# KiCad board HALTEST-panel.kicad_pcb (continued)
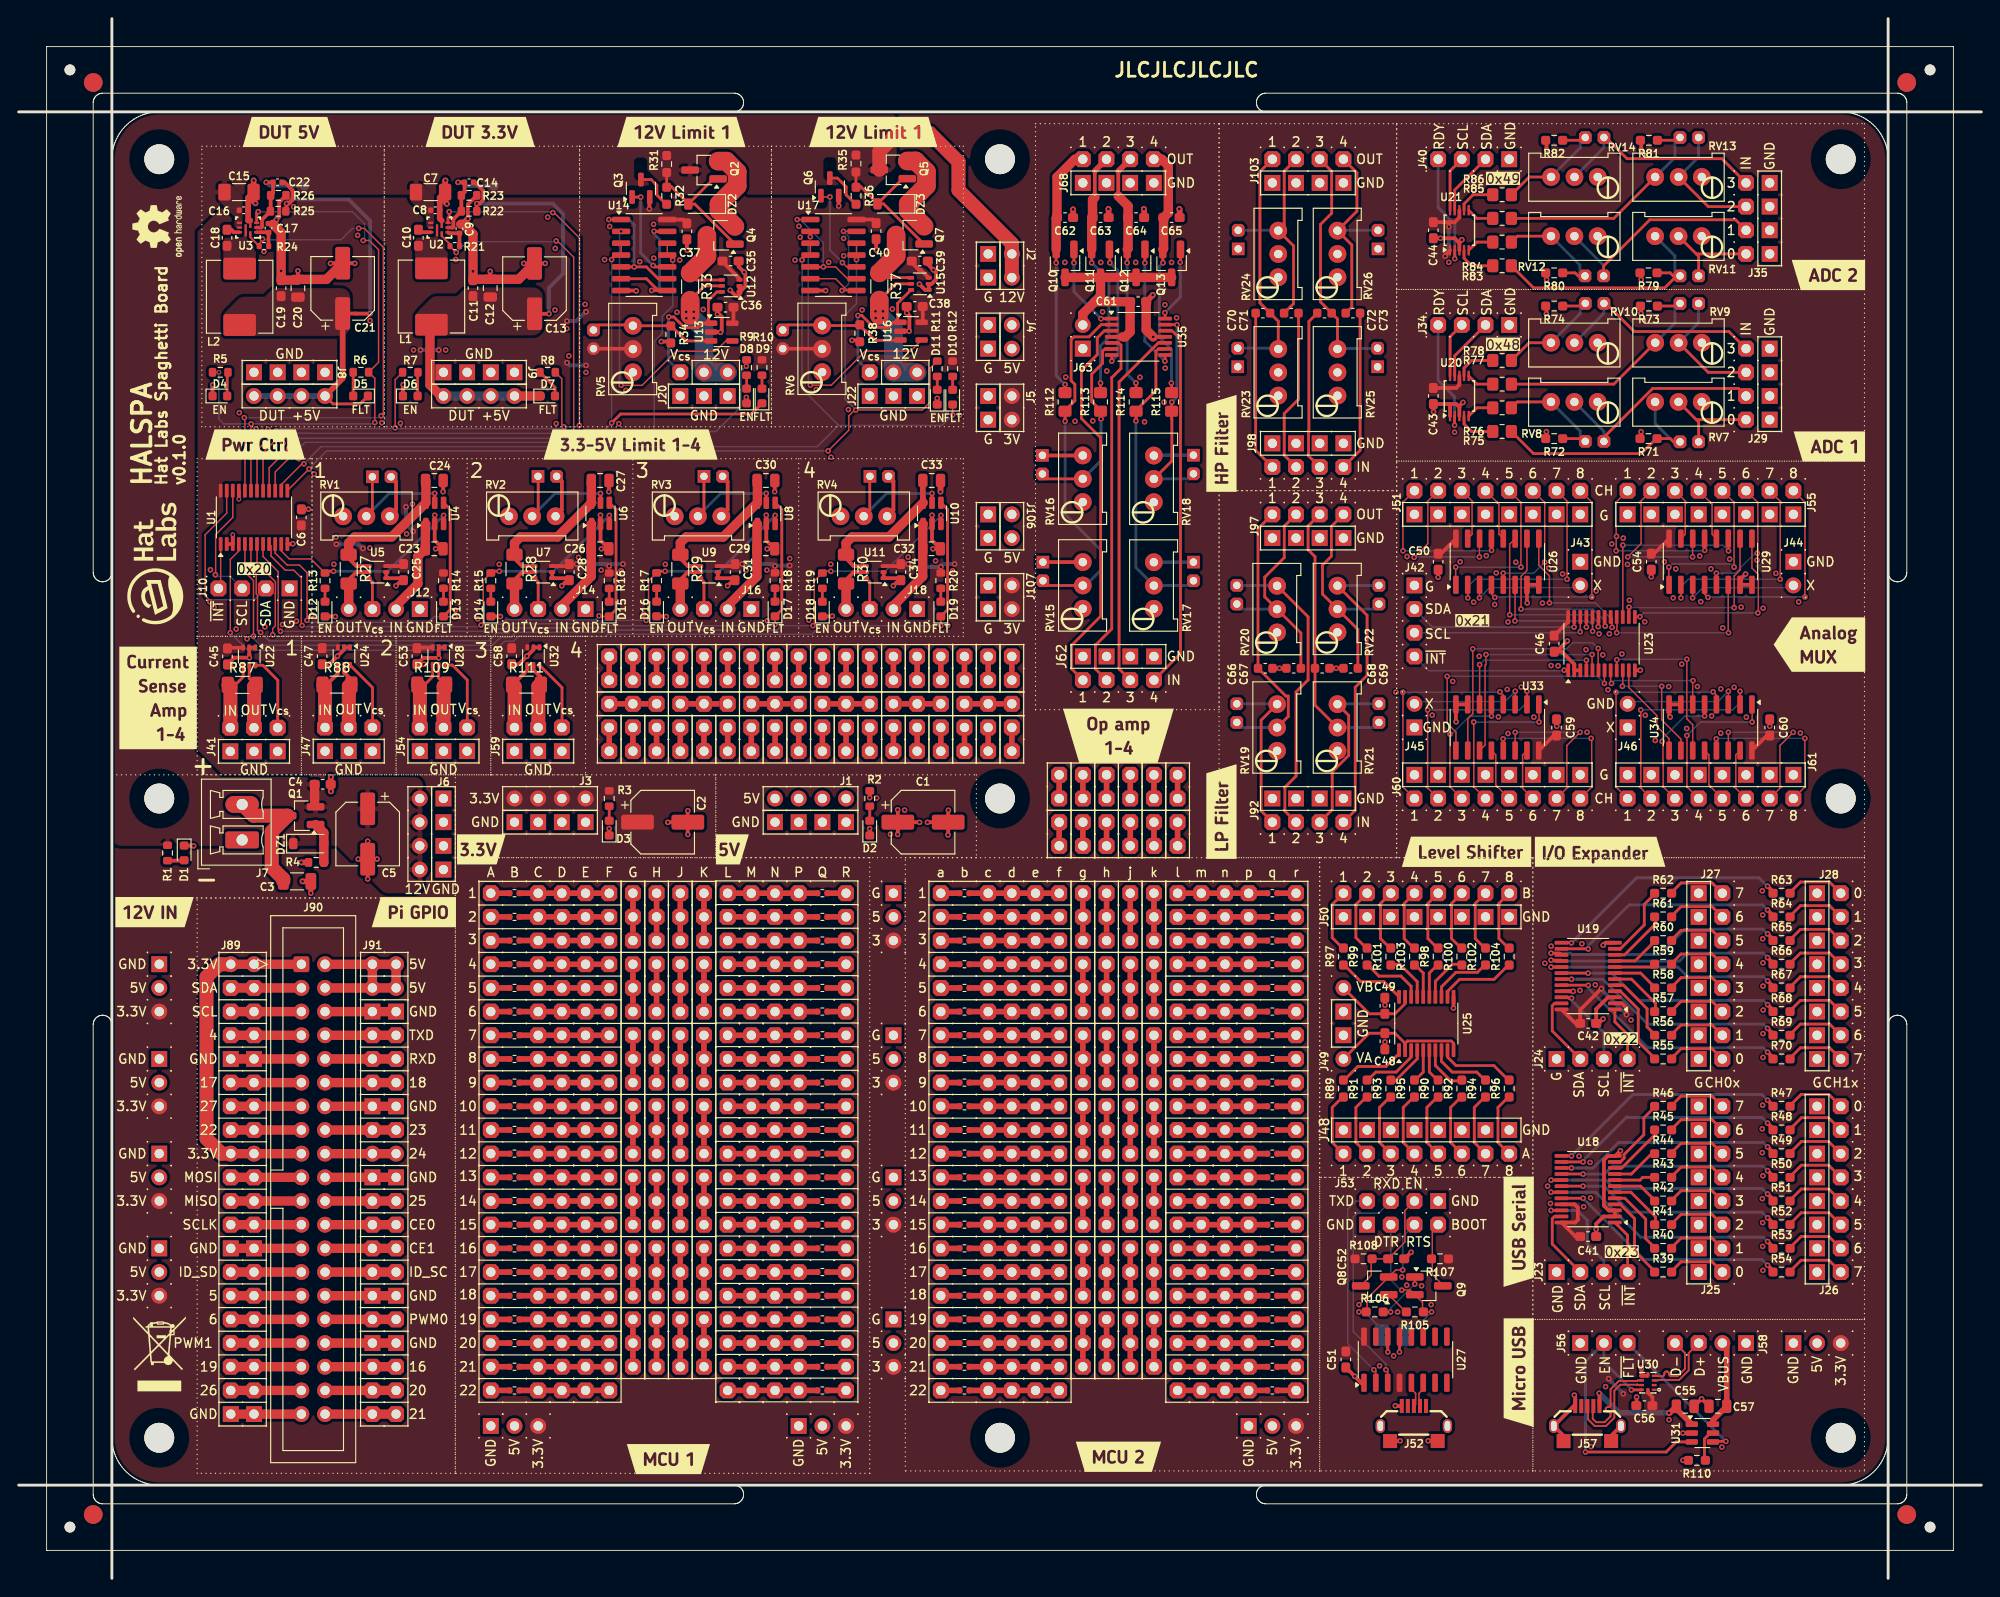
[diagram p0: board, top side]
## Routing (per net, layer and track width the routed paths; a pad name or vN(x,y) marks a point on that pad's centre or on a via; arc(x,y) is an arc through that point) (continued)
Board_0-/USB connector/D-: length 11
  Top w0.2: J57.2 168.89,17.94 168.82,17.87 168.82,17.12 169.19,16.75 170.09,16.75 170.73,17.4 170.73,17.67 arc(170.68,17.82) 170.53,17.87 170.41,17.87 arc(170.27,17.93) 170.21,18.07 170.21,18.17 arc(170.27,18.32) 170.41,18.37 170.53,18.37 arc(170.68,18.43) 170.73,18.57 170.73,20.29 171.61,21.17 173.42,21.17 173.43,21.18 173.62,21.18 173.67,21.23 U30.7
Board_0-/USB connector/EN: length 31.7
  Top w0.3: v1(168.04,13.56) 176.7,13.56 177.78,14.64 U31.3 ; U30.9 174.03,20.21 v1(172.97,20.21)
  Bottom w0.3: v1(168.04,13.56) 168.04,23.26 J56.2 170.02,23.21 172.97,20.26 v1(172.97,20.21)
Board_0-/USB connector/MHL+: length 7.5
  Top w0.2: U30.3 175.81,21.23 175.86,21.28 178.08,21.28 179.11,22.31 179.11,24.17 J58.3
Board_0-/USB connector/MHL-: length 7.5
  Top w0.2: U30.4 175.81,21.73 175.86,21.68 176.3,21.68 arc(176.44,21.74) 176.5,21.88 176.5,21.99 arc(176.56,22.13) 176.7,22.19 176.8,22.19 arc(176.94,22.13) 177,21.99 177,21.88 arc(177.06,21.74) 177.2,21.68 177.92,21.68 178.71,22.48 178.71,24.17 J58.4
Board_0-/USB connector/~{FAULT}: length 16.3
  Top w0.3: U31.4 181.78,14.7 v1(183.1,14.7)
  Bottom w0.3: J56.3 v1(183.1,14.7)
Board_0-/USB serial interface/BOOT: length 7.3
  Top w0.15: J53.7 151.62,37.31 151.62,32.6 152.74,31.48 Q9.3
Board_0-/USB serial interface/DTR: length 3.1
  Top w0.3: U27.13 148.1,24.29 v1(148.09,24.28)
  Bottom w0.3: v1(148.09,24.28) 148.09,24.78 JP1.1
Board_0-/USB serial interface/DTRb: length 2.7
  Top w0.15: 148.91,28.58 148.79,28.58 Q8.1
Board_0-/USB serial interface/DTRsj: length 16.2
  Top w0.15: v1(148.34,30.92) 148.34,30.92 149.25,30.92 Q9.2 150.56,29.6 150.56,28.58 v1(151.54,28.58)
  Bottom w0.15: v1(151.54,28.58) 149.69,26.73 JP1.2 148.74,27.08 ; v1(148.34,30.92) 148.25,30.92 147.16,32.01 J53.3
Board_0-/USB serial interface/EN: length 12.5
  Top w0.15: J53.6 148.67,39.45 148.67,36.08 C52.1 145.06,34.28 145.06,32.5 Q8.3
Board_0-/USB serial interface/RTS: length 3.1
  Top w0.3: v1(146.84,24.28) 146.83,24.29 U27.14
  Bottom w0.3: JP2.2 146.84,24.78 v1(146.84,24.28)
Board_0-/USB serial interface/RTSb: length 5.7
  Top w0.15: 146.26,28.58 v1(147.14,28.58) ; v1(149.74,31.58) Q9.1
  Bottom w0.15: v1(147.14,28.58) 147.14,28.98 v1(149.74,31.58)
Board_0-/USB serial interface/RTSsj: length 16.3
  Top w0.15: v1(148.44,33.08) 147.69,33.08 Q8.2 144.62,30 144.62,28.58 v1(143.74,28.58)
  Bottom w0.15: 146.19,27.08 JP2.1 144.34,28.58 v1(143.74,28.58) ; v1(148.44,33.08) 148.44,36.68 J53.5
Board_0-/USB serial interface/RXD: length 24.1
  Top w0.15: v1(146.64,22.38) 146.83,22.19 U27.3
  Bottom w0.15: v1(146.64,22.38) 146.64,22.98 143.14,26.48 143.14,38.78 143.54,39.18 145.86,39.18 J53.4
Board_0-/USB serial interface/TXD: length 22.3
  Top w0.15: v1(145.34,22.38) 145.56,22.16 U27.2
  Bottom w0.15: v1(145.34,22.38) 142.54,25.18 142.54,39.6 143.42,40.48 J53.2
Board_0-/USB serial interface/USB_D+: length 2.8
  Top w0.158: 149.63,18.49 149.83,18.69 149.83,19.85 149.37,20.31 U27.5
Board_0-/USB serial interface/USB_D-: length 2.7
  Top w0.158: U27.6 150.64,20.31 150.18,19.85 150.18,18.59 150.28,18.49
Board_0-GND: length 370.1
  Top w0.15: 161.76,104.67 v1(161.79,104.64)
  Top w0.3: C54.2 v1(175.1,107.43) ; C50.2 v1(152.24,107.38)
  Top w0.4: C37.2 71.67,142.53 v1(71.72,142.48) ; v1(174,123) 173.98,122.98 173.98,122.27 ; RV1.3 40.48,114.61 40.48,117.63 J11.2 ; J57.6 165.69,15.29 J57.6 166.78,18.48 J57.5 166.94,19.56 v1(166.84,19.65) ; v1(68.93,132.68) 69.88,132.68 69.94,132.62 ; 64.61,138.15 66.2,138.15 v1(66.24,138.11) ; U23.3 166.84,97.41 166.84,98.07 165.5,99.41 C46.2 164.94,99.41 v1(166.1,100.57) ; v1(146.53,57.54) 146.53,57.53 C48.1 ; U24.1 U24.2 34.89,99.63 v1(34.19,98.93) v1(33.34,98.08) 33.32,98.06 C47.1 ; C20.2 v1(29.95,140.26) ; v1(174.02,153.23) 174.02,153.23 174.02,154.27 ; J13.2 58.26,117.66 58.26,114.61 RV2.3 ; v1(89.38,132.81) 90.15,132.81 90.21,132.75 ; J17.2 93.82,117.7 93.82,114.61 RV4.3 ; C58.1 53.64,98.06 v1(54.5,98.92) 55.21,99.63 U32.2 U32.1 ; v1(36.05,141.06) 36.03,141.08 C21.2 33.47,141.08 v1(33.45,141.06) ; v1(121.68,133.18) 121.73,133.18 121.74,133.19 U35.11 ; C67.2 v1(135.22,97.63) C66.2 ; v1(153.88,61.17) 153.9,61.18 U25.11 ; U7.2 U7.1 58.85,107.29 C28.2 58.85,107.08 v1(58.25,106.48) ; C57.2 v1(180.49,19.26) C55.2 ; D6.1 41.22,128.03 v1(41.24,128.06) ; 163.86,154.27 163.86,153.24 v1(163.87,153.23) ; v1(87.95,147.22) 87.95,148.19 87.96,148.2 ; J52.6 148.14,14.73 v1(148.17,14.76) ; C39.2 97.51,140.97 v1(98.11,140.37) 98.39,140.08 98.39,139.35 97.92,138.87 U15.2 U15.1 97.22,138.22 v1(96.61,138.83) ; v1(154.78,143.6) 154.52,143.34 154.52,143.25 ; v1(174.02,139.33) 173.98,139.37 173.98,140.05 ; 17.75,78.61 18.74,78.61 v1(18.76,78.58) ; U19.3 170.46,62.33 169.19,61.07 C42.2 169.45,59.53 v1(169.94,60.02) ; U29.8 U29.7 184.62,107.15 v1(185.21,107.74) ; U1.12 29.37,110.96 v1(29.41,110.99) ; RV3.3 76.04,114.61 76.04,117.68 J15.2 ; v1(37.43,75.02) C5.2 ; C5.2 37.7,77.15 37.71,77.16 v1(38.45,77.16) ; C5.2 v1(36.42,77.15) ; C5.2 v1(37.43,79.09) ; U19.21 166.32,62.98 166.34,62.97 v1(166.73,62.97) ; 174.02,136.49 174.02,135.72 v1(174,135.7) ; C40.2 91.96,142.55 v1(92.01,142.5) ; D18.1 87.23,103.19 v1(87.27,103.23) ; 71.75,81.12 69.64,81.12 v1(69.62,81.1) ; 71.75,81.12 71.75,79.81 v1(71.77,79.8) ; 71.75,81.12 71.75,82.33 v1(71.77,82.35) ; C52.2 148.64,34.28 v1(149.34,34.98) ; v1(164.96,91.4) 164.94,91.42 C59.2 ; C53.1 43.46,98.06 v1(43.47,98.05) ; J57.6 170.79,15.29 J57.6 ; v1(23.12,98.03) 23.11,98.04 C45.1 ; C6.2 31.07,114.68 v1(31.08,114.7) ; v1(163.85,135.65) 163.86,135.66 163.86,136.49 ; v1(80.18,114.05) U8.2 80.18,111.35 C29.2 v1(80.28,110.45) ; U1.21 v2(23.61,115.77) ; U20.3 154.52,125.64 ; 154.52,125.64 154.52,125.77 v1(154.9,126.15) ; 154.52,125.64 154.18,125.98 153.5,125.98 ; v1(171.79,45.87) 171.25,45.32 U18.12 170.46,45.32 170.02,44.89 170.02,39.99 170.54,39.47 U18.3 171.19,38.82 169.99,38.82 169.19,38.03 v1(169.19,37.43) C41.2 ; C51.2 142.35,22.62 v1(143.3,21.67) 143.99,20.98 U27.1 ; v1(98.06,110.45) C32.2 97.96,111.35 U10.2 v1(97.96,114.05) ; U5.2 U5.1 41.07,107.29 C25.2 41.07,107.08 v1(40.47,106.48) ; v1(174.03,22.55) 174.06,22.52 U30.6 174.63,21.73 U30.5 ; v1(69.47,103.18) 69.45,103.2 D16.1 ; v1(93.81,106.48) 94.41,107.08 C34.2 94.41,107.29 U11.1 U11.2 ; RV15.3 J64.1 ; C69.2 v1(141.32,97.63) C68.2 ; 154.52,143.25 154.01,143.76 v1(152.49,143.76) C44.2 ; 154.52,143.25 U21.3 ; C36.2 v1(74.95,135.6) 75.15,135.6 75.41,135.35 75.41,133.81 v1(75.27,133.68) 75.25,133.7 U13.2 ; 67.67,148.18 67.65,148.16 v1(67.65,146.92) ; D12.1 33.96,103.19 v1(33.97,103.18) ; v1(151.75,125.15) 151.72,125.18 C43.2 153.5,125.98 ; 42.68,98.04 43.38,98.74 v1(45.05,98.74) 45.05,99.17 45.05,99.86 45.7,99.86 ; v1(91.27,80.43) 91.28,80.42 D2.1 ; v1(99.67,79.75) 99.69,79.77 C1.2 ; 173.34,97.41 173.91,97.41 v1(173.93,97.43) ; v1(147.65,18.52) 147.68,18.49 J52.5 ; v1(76.31,138.18) 76.93,137.57 77.14,137.57 77.31,137.75 U12.2 77.31,138.4 77.49,138.22 77.56,138.22 77.94,138.6 77.94,139.99 v1(77.81,140.12) 77.22,140.72 C35.2 ; C1.2 99.69,82.38 v1(99.72,82.4) ; C1.2 97.49,81.12 v1(97.47,81.1) ; v1(51.67,103.18) 51.66,103.19 D14.1 ; 98.88,116.59 v1(98.86,116.57) ; v1(62.5,110.45) C26.2 62.4,111.35 U6.2 v1(62.4,114.05) ; v1(151.17,14.76) 151.19,14.74 J52.6 ; v1(81.08,116.57) 81.09,116.59 C30.2 ; v1(54.17,141.06) C13.2 v1(56.47,141.06) ; v1(163.85,123) 163.86,122.99 163.86,122.27 ; D4.1 20.8,128 v1(20.82,128.03) ; 163.86,140.05 163.86,139.34 v1(163.87,139.33) ; 153.5,125.98 153.52,125.96 U20.1 ; v2(22.95,111.96) 22.97,111.94 22.97,110.96 U1.2 ; v1(48.17,145.86) 48.18,145.87 48.18,147.41 R23.2 ; C11.2 v1(48.72,140.21) ; v1(63.3,116.57) 63.31,116.59 C27.2 ; v1(178.49,15.59) U31.2 ; C56.1 173.53,18.56 v1(173.53,19.45) ; C49.2 146.53,61.5 v1(146.53,61.5) ; v1(63.33,80.43) 63.33,79.71 D3.1 ; v1(45.52,116.57) 45.53,116.59 C24.2 ; v1(76.03,106.48) 76.63,107.08 C31.2 76.63,107.29 U9.1 U9.2 ; 155.41,93.75 154.15,93.75 154.15,91.91 v1(154.17,91.89) ; 171.19,68.18 170.21,68.18 v1(169.94,67.92) ; C17.2 27.23,145.34 v1(27.65,145.76) 27.95,146.06 27.95,147.63 R26.2 ; D8.1 78.07,126.66 v1(78.05,126.69) ; U16.2 v1(95.5,133.79) 95.53,133.82 95.53,135.46 v1(95.25,135.74) 95.24,135.76 C38.2 ; C60.2 v1(187.8,91.4) ; 179.16,12.66 v1(178.49,12.66) ; v1(44.72,110.45) C23.2 44.62,111.35 U4.2 v1(44.62,114.05) ; 161.76,104.67 U26.7 U26.8 ; C12.2 v1(50.58,140.21) ; 25.38,99.84 24.73,99.84 24.73,99.15 24.75,99.13 v1(24.75,98.77) 23.11,98.77 22.36,98.02 ; v1(177.13,92.4) 177,92.52 177,93.75 178.28,93.75 ; D10.1 v1(98.52,126.59) ; v1(86.55,138.15) U17.7 ; J65.1 109.81,120.46 RV16.3 ; C19.2 v1(28.15,140.26)
  Top w0.6: C63.1 116.9,146.88 v1(116.88,146.9) ; C7.2 45.16,148.13 C8.2 45.16,145.88 45.37,145.66 ; C7.2 45.74,149.92 v1(45.78,149.96) ; C7.2 45.74,147.65 v1(45.92,147.46) ; v1(124.48,146.9) 124.52,146.87 C65.1 ; v1(113.08,146.85) 113.09,146.84 C62.1 ; C61.1 121.63,137.66 v1(121.63,137.68) ; 24.85,145.66 24.61,145.66 C16.2 24.61,148.12 C15.2 ; v1(33.5,85.95) 33.47,85.92 C4.2 33.47,84.45 v1(33.5,84.42) ; 31.34,73.88 C3.2 v1(30.45,74.77) ; C15.2 25.2,147.71 v1(25.4,147.51) ; C15.2 v1(25.2,149.96) ; C64.1 120.71,146.88 v1(120.68,146.9) ; C33.2 98.88,116.59 ; C9.2 47.58,145.26 v1(48.17,145.86) ; R4.2 v1(30.32,76.8)
  Top w1: J90.39 J89.39 ; C21.2 33.01,139.35 C20.2 29.88,139.27 C19.2 28.15,144.39 27.28,145.26 ; J90.34 J91.34 ; v1(121.68,133.18) 120.93,133.93 C61.1 ; 47.43,145.26 47.68,145.26 48.72,144.22 C11.2 48.81,139.36 C12.2 53.62,139.36 C13.2 ; J90.14 J91.14 ; J90.25 J89.25 ; J90.6 J91.6 ; J90.30 J91.30 ; J90.20 J91.20 ; J90.9 J89.9
  Bottom w0.4: RV18.3 121.79,120.49 J67.1 ; J66.1 125.96,109.06 125.57,109.06 125.52,109.01 RV17.3
  vias: v1(20.57,108.2) v1(20.95,104.17) v1(23.33,101.84) v1(23.67,125.05) v1(24.49,100.8) v1(25.46,123.31) v1(26.31,142.34) v1(26.41,102.06) v1(26.75,123.27) v1(28.35,121.77) v1(28.31,102.33) v1(29.49,147.14) v1(29.8,102.69) v1(30.05,120.12) v1(31.34,73.5) v1(31.45,103.34) v1(31.7,118.47) v1(33.81,108.79) v1(34.03,111.69) v1(36.35,144.08) v1(37.69,134.93) v1(37.67,110.52) v1(38.95,123.97) v1(40.95,123.92) v1(41.61,112.05) v1(42.24,115.25) v1(42.35,131.77) v1(45.8,131.77) v1(46.89,141.48) v1(46.83,103.87) v1(49.24,102.93) v1(51.55,108.79) v1(56.74,146.02) v1(57.55,142.67) v1(57.53,136.07) v1(57.64,123.88) v1(58.8,134.07) v1(59,131.14) v1(60.05,109.53) v1(60.28,122.88) v1(60.75,136.67) v1(60.85,129.37) v1(62.47,108.16) v1(62.84,141.47) v1(63.38,145.02) v1(64.37,123.87) v1(64.62,108.08) v1(65.13,127.43) v1(66.61,141.25) v1(67.03,103.46) v1(68.09,145.26) v1(68.11,141.63) v1(69.35,108.79) v1(70.61,135.82) v1(70.9,141.42) v1(73.43,136.12) v1(78.01,108.16) v1(80.25,108.16) v1(80.3,102.73) v1(82.7,109.4) v1(83.27,141.42) v1(83.68,145.04) v1(83.82,143.87) v1(84.74,102.8) v1(85.55,127.53) v1(86.87,141.18) v1(87.1,108.79) v1(87.12,120.27) v1(88.48,143.74) v1(88.48,141.89) v1(88.99,125.39) v1(90.47,136.08) v1(92.02,83.71) v1(93.5,79.82) v1(93.71,136.17) v1(95.02,82.41) v1(95.4,109.56) v1(98.34,109.15) v1(99.65,102.22) v1(100.18,108.08) v1(100.92,124.77) v1(112.2,141.17) v1(112.29,128.87) v1(113.3,124.12) v1(115.2,124.17) v1(116.05,141.17) v1(116.25,135.87) v1(116.7,129.52) v1(119.8,141.17) v1(120.26,128.85) v1(120.75,124.07) v1(122.85,126.17) v1(122.93,136.63) v1(122.97,129.83) v1(123.65,141.17) v1(124.19,135.23) v1(143.75,29.37) v1(145.96,22.81) v1(147.47,23.87) v1(147.71,95.07) v1(147.89,28.57) v1(148.35,32.34) v1(148.87,31.45) v1(148.9,109.62) v1(150.47,31.39) v1(151.5,29.37) v1(151.61,92.6) v1(153.38,141.18) v1(153.8,96.22) v1(154,122.95) v1(154.6,109.05) v1(156.05,104.72) v1(156.64,98.92) v1(157.41,109.7) v1(158.3,104.47) v1(158.47,107.87) v1(158.7,92.42) v1(159.65,95.37) v1(159.73,102.6) v1(159.73,90.63) v1(160.57,109) v1(161.15,95.62) v1(162.5,92.38) v1(163.43,104.62) v1(163.68,65.98) v1(163.98,42.07) v1(164.1,108.4) v1(164.29,40.22) v1(164.35,97.92) v1(164.35,67.82) v1(165.1,97.89) v1(165.58,107.75) v1(167.36,45.28) v1(167.45,63.07) v1(167.65,68.08) v1(167.85,39.87) v1(168.1,99.63) v1(168.21,90.77) v1(168.54,44.62) v1(168.59,40.82) v1(168.64,14.14) v1(169.1,63.67) v1(169.19,105.93) v1(169.5,101.32) v1(169.9,99.07) v1(170.2,20.57) v1(170.45,95.32) v1(170.61,101.33) v1(170.85,110.97) v1(171.95,99.17) v1(172.09,111.59) v1(172.55,108.77) v1(172.76,104.93) v1(172.92,59.89) v1(174.4,102.62) v1(174.46,92.59) v1(175.53,89.89) v1(176.5,109.05) v1(176.97,95.66) v1(177,17.01) v1(177.45,105.18) v1(177.73,108.29) v1(178.36,98.07) v1(178.9,91.17) v1(180.05,95.67) v1(180.3,109.67) v1(180.4,104.77) v1(181.49,108.29) v1(181.57,92.52) v1(182.55,95.42) v1(182.55,90.67) v1(182.67,14.08) v1(182.75,101.96) v1(183.5,109.34) v1(183.98,95.59) v1(184.74,104.18) v1(185.29,92.38) v1(186.44,109.23) v1(187,48.22) v1(187,45.67) v1(187.1,104.07) v1(187.01,73.76) v1(187.05,71.16) v1(187.05,68.61) v1(187.08,66.04) v1(187.08,63.53) v1(187.08,58.44) v1(187.08,55.88) v1(187.04,50.76) v1(187.07,43.18) v1(187.01,40.74) v1(187.04,38.16) v1(187.04,35.61) v1(187.07,33.03) v1(187.1,60.96) v1(188.46,107.82) v1(190.91,104.75) v1(191.09,90.69)
Board_0-Net-(D1-A): length 1.8
  Top w0.4: 17.75,77.03 17.71,76.99 R1.2
Board_0-Net-(D2-A): length 1.6
  Top w0.3: D2.2 R2.2
Board_0-Net-(D3-A): length 1.6
  Top w0.3: D3.2 R3.2
Board_0-Net-(D4-A): length 2.6
  Top w0.3: D4.2 22.37,129.31 R5.2
Board_0-Net-(D5-A): length 2.6
  Top w0.3: D5.2 35.88,129.39 35.89,129.39
Board_0-Net-(D6-A): length 2.6
  Top w0.3: D6.2 42.79,129.34 R7.2
Board_0-Net-(D7-A): length 3.2
  Top w0.3: D7.2 57.52,127.77 R8.2
Board_0-Net-(D8-A): length 1.4
  Top w0.3: D8.2 78.07,129.06
Board_0-Net-(D9-A): length 1.4
  Top w0.3: D9.2 79.72,129.06
Board_0-Net-(D10-A): length 1.4
  Top w0.3: D10.2 R11.2
Board_0-Net-(D11-A): length 1.4
  Top w0.3: D11.2 R12.2
Board_0-Net-(D12-A): length 1.6
  Top w0.3: D12.2 32.86,106.39
Board_0-Net-(D13-A): length 1.7
  Top w0.3: D13.2 45.56,106.46
Board_0-Net-(D14-A): length 1.6
  Top w0.3: D14.2 50.64,106.39
Board_0-Net-(D15-A): length 1.7
  Top w0.3: D15.2 63.34,106.46
Board_0-Net-(D16-A): length 1.6
  Top w0.3: 68.42,104.77 68.42,106.39
Board_0-Net-(D17-A): length 1.7
  Top w0.3: 81.12,104.77 81.12,106.46
Board_0-Net-(D18-A): length 1.6
  Top w0.3: D18.2 86.2,106.39
Board_0-Net-(D19-A): length 1.7
  Top w0.3: D19.2 98.9,106.46
Board_0-Net-(J69-Pin_1): length 2
  Top w0.6: J69.1 R116.1
Board_0-Net-(J69-Pin_2): length 2
  Top w0.6: J69.2 R117.1
Board_0-Net-(J69-Pin_3): length 2
  Top w0.6: J69.3 R118.1
Board_0-Net-(J69-Pin_4): length 2
  Top w0.6: J69.4 R119.1
Board_0-Net-(J69-Pin_5): length 2
  Top w0.6: J69.5 R120.1
Board_0-Net-(J69-Pin_6): length 2
  Top w0.6: J69.6 R121.1
Board_0-Net-(J69-Pin_7): length 2
  Top w0.6: J69.7 R122.1
Board_0-Net-(J69-Pin_8): length 2
  Top w0.6: J69.8 R123.1
Board_0-Net-(J69-Pin_9): length 2
  Top w0.6: J69.9 R124.1
Board_0-Net-(J69-Pin_10): length 2
  Top w0.6: J69.10 R125.1
Board_0-Net-(J69-Pin_11): length 2
  Top w0.6: J69.11 R126.1
Board_0-Net-(J69-Pin_12): length 2
  Top w0.6: J69.12 R127.1
Board_0-Net-(J69-Pin_13): length 2
  Top w0.6: J69.13 R128.1
Board_0-Net-(J69-Pin_14): length 2
  Top w0.6: J69.14 R129.1
Board_0-Net-(J69-Pin_15): length 2
  Top w0.6: J69.15 R130.1
Board_0-Net-(J69-Pin_16): length 2
  Top w0.6: J69.16 R131.1
Board_0-Net-(J69-Pin_17): length 2
  Top w0.6: J69.17 R132.1
Board_0-Net-(J69-Pin_18): length 2
  Top w0.6: J69.18 R133.1
Board_0-Net-(J69-Pin_19): length 2
  Top w0.6: J69.19 R134.1
Board_0-Net-(J69-Pin_20): length 2
  Top w0.6: J69.20 R135.1
Board_0-Net-(J69-Pin_21): length 2
  Top w0.6: J69.21 R136.1
Board_0-Net-(J69-Pin_22): length 2
  Top w0.6: J69.22 R137.1
Board_0-Net-(J70-Pin_1): length 9.6
  Top w0.6: R116.2 J72.1 J73.1
Board_0-Net-(J70-Pin_2): length 9.6
  Top w0.6: J73.2 J72.2 R117.2
Board_0-Net-(J70-Pin_3): length 9.6
  Top w0.6: J73.3 J72.3 R118.2
Board_0-Net-(J70-Pin_4): length 9.6
  Top w0.6: J73.4 J72.4 R119.2
Board_0-Net-(J70-Pin_5): length 9.6
  Top w0.6: J73.5 J72.5 R120.2
Board_0-Net-(J70-Pin_6): length 12.2
  Top w0.6: J72.6 J73.6 ; J72.6 R121.2 ; J72.6 J71.6
Board_0-Net-(J70-Pin_7): length 9.6
  Top w0.6: R122.2 J72.7 J73.7
Board_0-Net-(J70-Pin_8): length 9.6
  Top w0.6: J73.8 J72.8 R123.2
Board_0-Net-(J70-Pin_9): length 12.2
  Top w0.6: J72.9 J73.9 ; J72.9 R124.2 ; J72.9 J71.9
Board_0-Net-(J70-Pin_10): length 12.2
  Top w0.6: J72.10 J71.10 ; J72.10 R125.2 ; J72.10 J73.10
Board_0-Net-(J70-Pin_11): length 12.2
  Top w0.6: J72.11 J73.11 ; J72.11 J71.11 ; J72.11 R126.2
Board_0-Net-(J70-Pin_12): length 9.6
  Top w0.6: J73.12 J72.12 R127.2
Board_0-Net-(J70-Pin_13): length 9.6
  Top w0.6: R128.2 J72.13 J73.13
Board_0-Net-(J70-Pin_14): length 9.6
  Top w0.6: R129.2 J72.14 J73.14
Board_0-Net-(J70-Pin_15): length 9.6
  Top w0.6: J73.15 J72.15 R130.2
Board_0-Net-(J70-Pin_16): length 9.6
  Top w0.6: J73.16 J72.16 R131.2
Board_0-Net-(J70-Pin_17): length 9.6
  Top w0.6: J73.17 J72.17 R132.2
Board_0-Net-(J70-Pin_18): length 9.6
  Top w0.6: R133.2 J72.18 J73.18
Board_0-Net-(J70-Pin_19): length 9.6
  Top w0.6: J73.19 J72.19 R134.2
Board_0-Net-(J70-Pin_20): length 9.6
  Top w0.6: J73.20 J72.20 R135.2
Board_0-Net-(J70-Pin_21): length 9.6
  Top w0.6: R136.2 J72.21 J73.21
Board_0-Net-(J70-Pin_22): length 9.6
  Top w0.6: J73.22 J72.22 R137.2
Board_0-Net-(J74-Pin_1): length 9.7
  Top w0.6: J74.1 J75.1 R138.2
Board_0-Net-(J74-Pin_2): length 9.7
  Top w0.6: R139.2 J75.2 J74.2
Board_0-Net-(J74-Pin_3): length 12.2
  Top w0.6: J75.3 J76.3 ; J75.3 R140.2 ; J75.3 J74.3
Board_0-Net-(J74-Pin_4): length 9.7
  Top w0.6: R141.2 J75.4 J74.4
Board_0-Net-(J74-Pin_5): length 12.2
  Top w0.6: J75.5 J74.5 ; J75.5 R142.2 ; J75.5 J76.5
Board_0-Net-(J74-Pin_6): length 12.2
  Top w0.6: J75.6 J76.6 ; J75.6 R143.2 ; J75.6 J74.6
Board_0-Net-(J74-Pin_7): length 9.7
  Top w0.6: J74.7 J75.7 R144.2
Board_0-Net-(J74-Pin_8): length 9.7
  Top w0.6: R145.2 J75.8 J74.8
Board_0-Net-(J74-Pin_9): length 9.7
  Top w0.6: J74.9 J75.9 R146.2
Board_0-Net-(J74-Pin_10): length 9.7
  Top w0.6: J74.10 J75.10 R147.2
Board_0-Net-(J74-Pin_11): length 9.7
  Top w0.6: R148.2 J75.11 J74.11
Board_0-Net-(J74-Pin_12): length 9.7
  Top w0.6: J74.12 J75.12 R149.2
Board_0-Net-(J74-Pin_13): length 12.2
  Top w0.6: J75.13 J74.13 ; J75.13 R150.2 ; J75.13 J76.13
Board_0-Net-(J74-Pin_14): length 9.7
  Top w0.6: J74.14 J75.14 R151.2
Board_0-Net-(J74-Pin_15): length 9.7
  Top w0.6: R152.2 J75.15 J74.15
Board_0-Net-(J74-Pin_16): length 9.7
  Top w0.6: R153.2 J75.16 J74.16
Board_0-Net-(J74-Pin_17): length 9.7
  Top w0.6: R154.2 J75.17 J74.17
Board_0-Net-(J74-Pin_18): length 9.7
  Top w0.6: J74.18 J75.18 R155.2
Board_0-Net-(J74-Pin_19): length 9.7
  Top w0.6: R156.2 J75.19 J74.19
Board_0-Net-(J74-Pin_20): length 9.7
  Top w0.6: R157.2 J75.20 J74.20
Board_0-Net-(J74-Pin_21): length 12.2
  Top w0.6: J75.21 J76.21 ; J75.21 J74.21 ; J75.21 R158.2
Board_0-Net-(J74-Pin_22): length 9.7
  Top w0.6: J74.22 J75.22 R159.2
Board_0-Net-(J78-Pin_1): length 2
  Top w0.6: J78.1 R138.1
Board_0-Net-(J78-Pin_2): length 2
  Top w0.6: J78.2 R139.1
Board_0-Net-(J78-Pin_3): length 2
  Top w0.6: J78.3 R140.1
Board_0-Net-(J78-Pin_4): length 2
  Top w0.6: J78.4 R141.1
Board_0-Net-(J78-Pin_5): length 2
  Top w0.6: J78.5 R142.1
Board_0-Net-(J78-Pin_6): length 2
  Top w0.6: J78.6 R143.1
Board_0-Net-(J78-Pin_7): length 2
  Top w0.6: J78.7 R144.1
Board_0-Net-(J78-Pin_8): length 2
  Top w0.6: J78.8 R145.1
Board_0-Net-(J78-Pin_9): length 2
  Top w0.6: J78.9 R146.1
Board_0-Net-(J78-Pin_10): length 2
  Top w0.6: J78.10 R147.1
Board_0-Net-(J78-Pin_11): length 2
  Top w0.6: J78.11 R148.1
Board_0-Net-(J78-Pin_12): length 2
  Top w0.6: J78.12 R149.1
Board_0-Net-(J78-Pin_13): length 2
  Top w0.6: J78.13 R150.1
Board_0-Net-(J78-Pin_14): length 2
  Top w0.6: J78.14 R151.1
Board_0-Net-(J78-Pin_15): length 2
  Top w0.6: J78.15 R152.1
Board_0-Net-(J78-Pin_16): length 2
  Top w0.6: J78.16 R153.1
Board_0-Net-(J78-Pin_17): length 2
  Top w0.6: J78.17 R154.1
Board_0-Net-(J78-Pin_18): length 2
  Top w0.6: J78.18 R155.1
Board_0-Net-(J78-Pin_19): length 2
  Top w0.6: J78.19 R156.1
Board_0-Net-(J78-Pin_20): length 2
  Top w0.6: J78.20 R157.1
Board_0-Net-(J78-Pin_21): length 2
  Top w0.6: J78.21 R158.1
Board_0-Net-(J78-Pin_22): length 2
  Top w0.6: J78.22 R159.1
Board_0-Net-(J79-Pin_1): length 2
  Top w0.6: J79.1 R160.1
Board_0-Net-(J79-Pin_2): length 2
  Top w0.6: J79.2 R161.1
Board_0-Net-(J79-Pin_3): length 2
  Top w0.6: J79.3 R162.1
Board_0-Net-(J79-Pin_4): length 2
  Top w0.6: J79.4 R163.1
Board_0-Net-(J79-Pin_5): length 2
  Top w0.6: J79.5 R164.1
Board_0-Net-(J79-Pin_6): length 2
  Top w0.6: J79.6 R165.1
Board_0-Net-(J79-Pin_7): length 2
  Top w0.6: J79.7 R166.1
Board_0-Net-(J79-Pin_8): length 2
  Top w0.6: J79.8 R167.1
Board_0-Net-(J79-Pin_9): length 2
  Top w0.6: J79.9 R168.1
Board_0-Net-(J79-Pin_10): length 2
  Top w0.6: J79.10 R169.1
Board_0-Net-(J79-Pin_11): length 2
  Top w0.6: J79.11 R170.1
Board_0-Net-(J79-Pin_12): length 2
  Top w0.6: J79.12 R171.1
Board_0-Net-(J79-Pin_13): length 2
  Top w0.6: J79.13 R172.1
Board_0-Net-(J79-Pin_14): length 2
  Top w0.6: J79.14 R173.1
Board_0-Net-(J79-Pin_15): length 2
  Top w0.6: J79.15 R174.1
Board_0-Net-(J79-Pin_16): length 2
  Top w0.6: J79.16 R175.1
Board_0-Net-(J79-Pin_17): length 2
  Top w0.6: J79.17 R176.1
Board_0-Net-(J79-Pin_18): length 2
  Top w0.6: J79.18 R177.1
Board_0-Net-(J79-Pin_19): length 2
  Top w0.6: J79.19 R178.1
Board_0-Net-(J79-Pin_20): length 2
  Top w0.6: J79.20 R179.1
Board_0-Net-(J79-Pin_21): length 2
  Top w0.6: J79.21 R180.1
Board_0-Net-(J79-Pin_22): length 2
  Top w0.6: J79.22 R181.1
Board_0-Net-(J80-Pin_1): length 9.6
  Top w0.6: J83.1 J82.1 R160.2
Board_0-Net-(J80-Pin_2): length 9.6
  Top w0.6: R161.2 J82.2 J83.2
Board_0-Net-(J80-Pin_3): length 9.6
  Top w0.6: R162.2 J82.3 J83.3
Board_0-Net-(J80-Pin_4): length 9.6
  Top w0.6: J83.4 J82.4 R163.2
Board_0-Net-(J80-Pin_5): length 9.6
  Top w0.6: J83.5 J82.5 R164.2
Board_0-Net-(J80-Pin_6): length 9.6
  Top w0.6: R165.2 J82.6 J83.6
Board_0-Net-(J80-Pin_7): length 9.6
  Top w0.6: J83.7 J82.7 R166.2
Board_0-Net-(J80-Pin_8): length 9.6
  Top w0.6: J83.8 J82.8 R167.2
Board_0-Net-(J80-Pin_9): length 9.6
  Top w0.6: R168.2 J82.9 J83.9
Board_0-Net-(J80-Pin_10): length 9.6
  Top w0.6: J83.10 J82.10 R169.2
Board_0-Net-(J80-Pin_11): length 9.6
  Top w0.6: J83.11 J82.11 R170.2
Board_0-Net-(J80-Pin_12): length 9.6
  Top w0.6: J83.12 J82.12 R171.2
Board_0-Net-(J80-Pin_13): length 9.6
  Top w0.6: J83.13 J82.13 R172.2
Board_0-Net-(J80-Pin_14): length 9.6
  Top w0.6: J83.14 J82.14 R173.2
Board_0-Net-(J80-Pin_15): length 9.6
  Top w0.6: J83.15 J82.15 R174.2
Board_0-Net-(J80-Pin_16): length 9.6
  Top w0.6: R175.2 J82.16 J83.16
Board_0-Net-(J80-Pin_17): length 9.6
  Top w0.6: J83.17 J82.17 R176.2
Board_0-Net-(J80-Pin_18): length 9.6
  Top w0.6: R177.2 J82.18 J83.18
Board_0-Net-(J80-Pin_19): length 9.6
  Top w0.6: J83.19 J82.19 R178.2
Board_0-Net-(J80-Pin_20): length 9.6
  Top w0.6: J83.20 J82.20 R179.2
Board_0-Net-(J80-Pin_21): length 9.6
  Top w0.6: J83.21 J82.21 R180.2
Board_0-Net-(J80-Pin_22): length 9.6
  Top w0.6: J83.22 J82.22 R181.2
Board_0-Net-(J84-Pin_1): length 9.7
  Top w0.6: J84.1 J86.1 R182.2
Board_0-Net-(J84-Pin_2): length 9.7
  Top w0.6: J84.2 J86.2 R183.2
Board_0-Net-(J84-Pin_3): length 9.7
  Top w0.6: J84.3 J86.3 R184.2
Board_0-Net-(J84-Pin_4): length 9.7
  Top w0.6: R185.2 J86.4 J84.4
Board_0-Net-(J84-Pin_5): length 9.7
  Top w0.6: J84.5 J86.5 R186.2
Board_0-Net-(J84-Pin_6): length 9.7
  Top w0.6: J84.6 J86.6 R187.2
Board_0-Net-(J84-Pin_7): length 9.7
  Top w0.6: R188.2 J86.7 J84.7
Board_0-Net-(J84-Pin_8): length 9.7
  Top w0.6: J84.8 J86.8 R189.2
Board_0-Net-(J84-Pin_9): length 9.7
  Top w0.6: J84.9 J86.9 R190.2
Board_0-Net-(J84-Pin_10): length 9.7
  Top w0.6: J84.10 J86.10 R191.2
Board_0-Net-(J84-Pin_11): length 9.7
  Top w0.6: R192.2 J86.11 J84.11
Board_0-Net-(J84-Pin_12): length 9.7
  Top w0.6: R193.2 J86.12 J84.12
Board_0-Net-(J84-Pin_13): length 9.7
  Top w0.6: J84.13 J86.13 R194.2
Board_0-Net-(J84-Pin_14): length 9.7
  Top w0.6: J84.14 J86.14 R195.2
Board_0-Net-(J84-Pin_15): length 9.7
  Top w0.6: R196.2 J86.15 J84.15
Board_0-Net-(J84-Pin_16): length 9.7
  Top w0.6: J84.16 J86.16 R197.2
Board_0-Net-(J84-Pin_17): length 9.7
  Top w0.6: R198.2 J86.17 J84.17
Board_0-Net-(J84-Pin_18): length 9.7
  Top w0.6: J84.18 J86.18 R199.2
Board_0-Net-(J84-Pin_19): length 9.7
  Top w0.6: J84.19 J86.19 R200.2
Board_0-Net-(J84-Pin_20): length 9.7
  Top w0.6: J84.20 J86.20 R201.2
Board_0-Net-(J84-Pin_21): length 9.7
  Top w0.6: J84.21 J86.21 R202.2
Board_0-Net-(J84-Pin_22): length 9.7
  Top w0.6: J84.22 J86.22 R203.2
Board_0-Net-(J88-Pin_1): length 2
  Top w0.6: J88.1 R182.1
Board_0-Net-(J88-Pin_2): length 2
  Top w0.6: J88.2 R183.1
Board_0-Net-(J88-Pin_3): length 2
  Top w0.6: J88.3 R184.1
Board_0-Net-(J88-Pin_4): length 2
  Top w0.6: J88.4 R185.1
Board_0-Net-(J88-Pin_5): length 2
  Top w0.6: J88.5 R186.1
Board_0-Net-(J88-Pin_6): length 2
  Top w0.6: J88.6 R187.1
Board_0-Net-(J88-Pin_7): length 2
  Top w0.6: J88.7 R188.1
Board_0-Net-(J88-Pin_8): length 2
  Top w0.6: J88.8 R189.1
Board_0-Net-(J88-Pin_9): length 2
  Top w0.6: J88.9 R190.1
Board_0-Net-(J88-Pin_10): length 2
  Top w0.6: J88.10 R191.1
Board_0-Net-(J88-Pin_11): length 2
  Top w0.6: J88.11 R192.1
Board_0-Net-(J88-Pin_12): length 2
  Top w0.6: J88.12 R193.1
Board_0-Net-(J88-Pin_13): length 2
  Top w0.6: J88.13 R194.1
Board_0-Net-(J88-Pin_14): length 2
  Top w0.6: J88.14 R195.1
Board_0-Net-(J88-Pin_15): length 2
  Top w0.6: J88.15 R196.1
Board_0-Net-(J88-Pin_16): length 2
  Top w0.6: J88.16 R197.1
Board_0-Net-(J88-Pin_17): length 2
  Top w0.6: J88.17 R198.1
Board_0-Net-(J88-Pin_18): length 2
  Top w0.6: J88.18 R199.1
Board_0-Net-(J88-Pin_19): length 2
  Top w0.6: J88.19 R200.1
Board_0-Net-(J88-Pin_20): length 2
  Top w0.6: J88.20 R201.1
Board_0-Net-(J88-Pin_21): length 2
  Top w0.6: J88.21 R202.1
Board_0-Net-(J88-Pin_22): length 2
  Top w0.6: J88.22 R203.1
Board_0-Net-(U31-ILIM): length 3.5
  Top w0.3: U31.5 181.43,15.59 180.8,14.96 180.8,12.67 180.81,12.66

## Copper pours and planes (outline as drawn; the poured copper is in the pictures)
Board_0-+3.3V on Top: 10,157.32 200.5,157.32 200.5,10 10,10
Board_0-+3.3VD on Top: 42.6,135.7 44.45,137.55 47.03,137.55 47.95,138.47 56.2,138.47 56.2,134 55.55,133.35 42.6,133.35
Board_0-+5V on Bottom: 10,157.32 200.5,157.32 200.5,10 10,10
Board_0-+5VD on Top: 21.95,135.63 23.8,137.48 26.38,137.48 27.3,138.41 35.55,138.41 35.55,133.94 34.9,133.28 21.95,133.28
Board_0-+12V on Top: 22.74,149.61 24.1,148.25 24.1,144.66 23.15,144.66 23.15,146.07 21.41,147.81 21.41,149.61
Board_0-+12V on Top: 43.4,85.95 21.68,85.95 18.89,88.74 18.89,144.62 22.7,148.43 91.09,148.43 94.18,151.52 94.18,157.32 10,157.32 10,78.58 34.13,78.58 39.21,73.5 43.4,73.5
Board_0-+12V on Top: 43.3,149.61 44.66,148.25 44.66,144.66 43.71,144.66 43.71,146.07 41.97,147.81 41.97,149.61
Board_0-/DUT Power/Buck 3.3V/SW on Top: 45.17,145.38 44.67,145.38 44.67,143.88 42.53,143.88 42.53,139.36 46.03,139.36 46.03,143.13 45.17,143.98
Board_0-/DUT Power/Buck 5V/SW on Top: 24.6,145.36 24.1,145.36 24.1,143.86 21.95,143.86 21.95,139.33 25.45,139.33 25.45,143.11 24.6,143.96
Board_0-GND on In1.Cu, In2.Cu: 10,157.32 200.5,157.32 200.5,10 10,10

## Text on the board
B.Silkscreen: DTR | GND | PWM1 | 3.3V | SDA | SCL | 4 | 17 | 27 | 2 | 22 | MOSI | MISO | SCLK | ID_SD | 5 | 6 | 19 | 26 | 1 | 3 | 7 | 8 | 9 | 10 | 11 | 12 | 13 | 14 | 15 | 16 | 18 | 20 | 21 | G | TXD | X | 0 | RXD | DUT +5V | OUT | V_{cs} | IN | CH | CH0x | CH1x | A | B | C | D | E | F | H | J | K | 12V | L | M | N | P | Q | R | a | b | c | d | e | f | g | h | j | k | l | m | n | p | q | r | RTS | 5V | 23 | 24 | 25 | CE0 | CE1 | ID_SC | PWM0 | VB | VA | ~{INT} | BOOT | EN | RDY | ~{FLT} | D- | D+ | VBUS
Edge.Cuts: V-CUT
F.Silkscreen: EN | FLT | RTS | 5V | GND | TXD | RXD | 18 | 23 | 24 | 25 | CE0 | CE1 | ID_SC | PWM0 | 16 | 20 | 21 | OUT | IN | VB | VA | G | SDA | SCL | ~{INT} | X | BOOT | B | A | 7 | 6 | 5 | 4 | 3 | 2 | 1 | 0 | 0x22 | 0x23 | DUT +5V | V_{cs} | 12V | 3V | 8 | 0x20 | 0x21 | 0x49 | 0x48 | CH | CH0x | CH1x | C | D | E | F | H | J | K | L | M | N | P | Q | R | a | b | c | d | e | f | g | h | j | k | l | m | n | p | q | r | DTR | 3.3V | PWM1 | 17 | 27 | 22 | MOSI | MISO | SCLK | ID_SD | 19 | 26 | 9 | 10 | 11 | 12 | 13 | 14 | 15 | RDY | ~{FLT} | D- | D+ | VBUS | Hat Labs Spaghetti Board / v0.1.0 | JLCJLCJLCJLC | + | - | HALSPA
